# KiCad board hvd-68-vhdci-panel.kicad_pcb (continued)
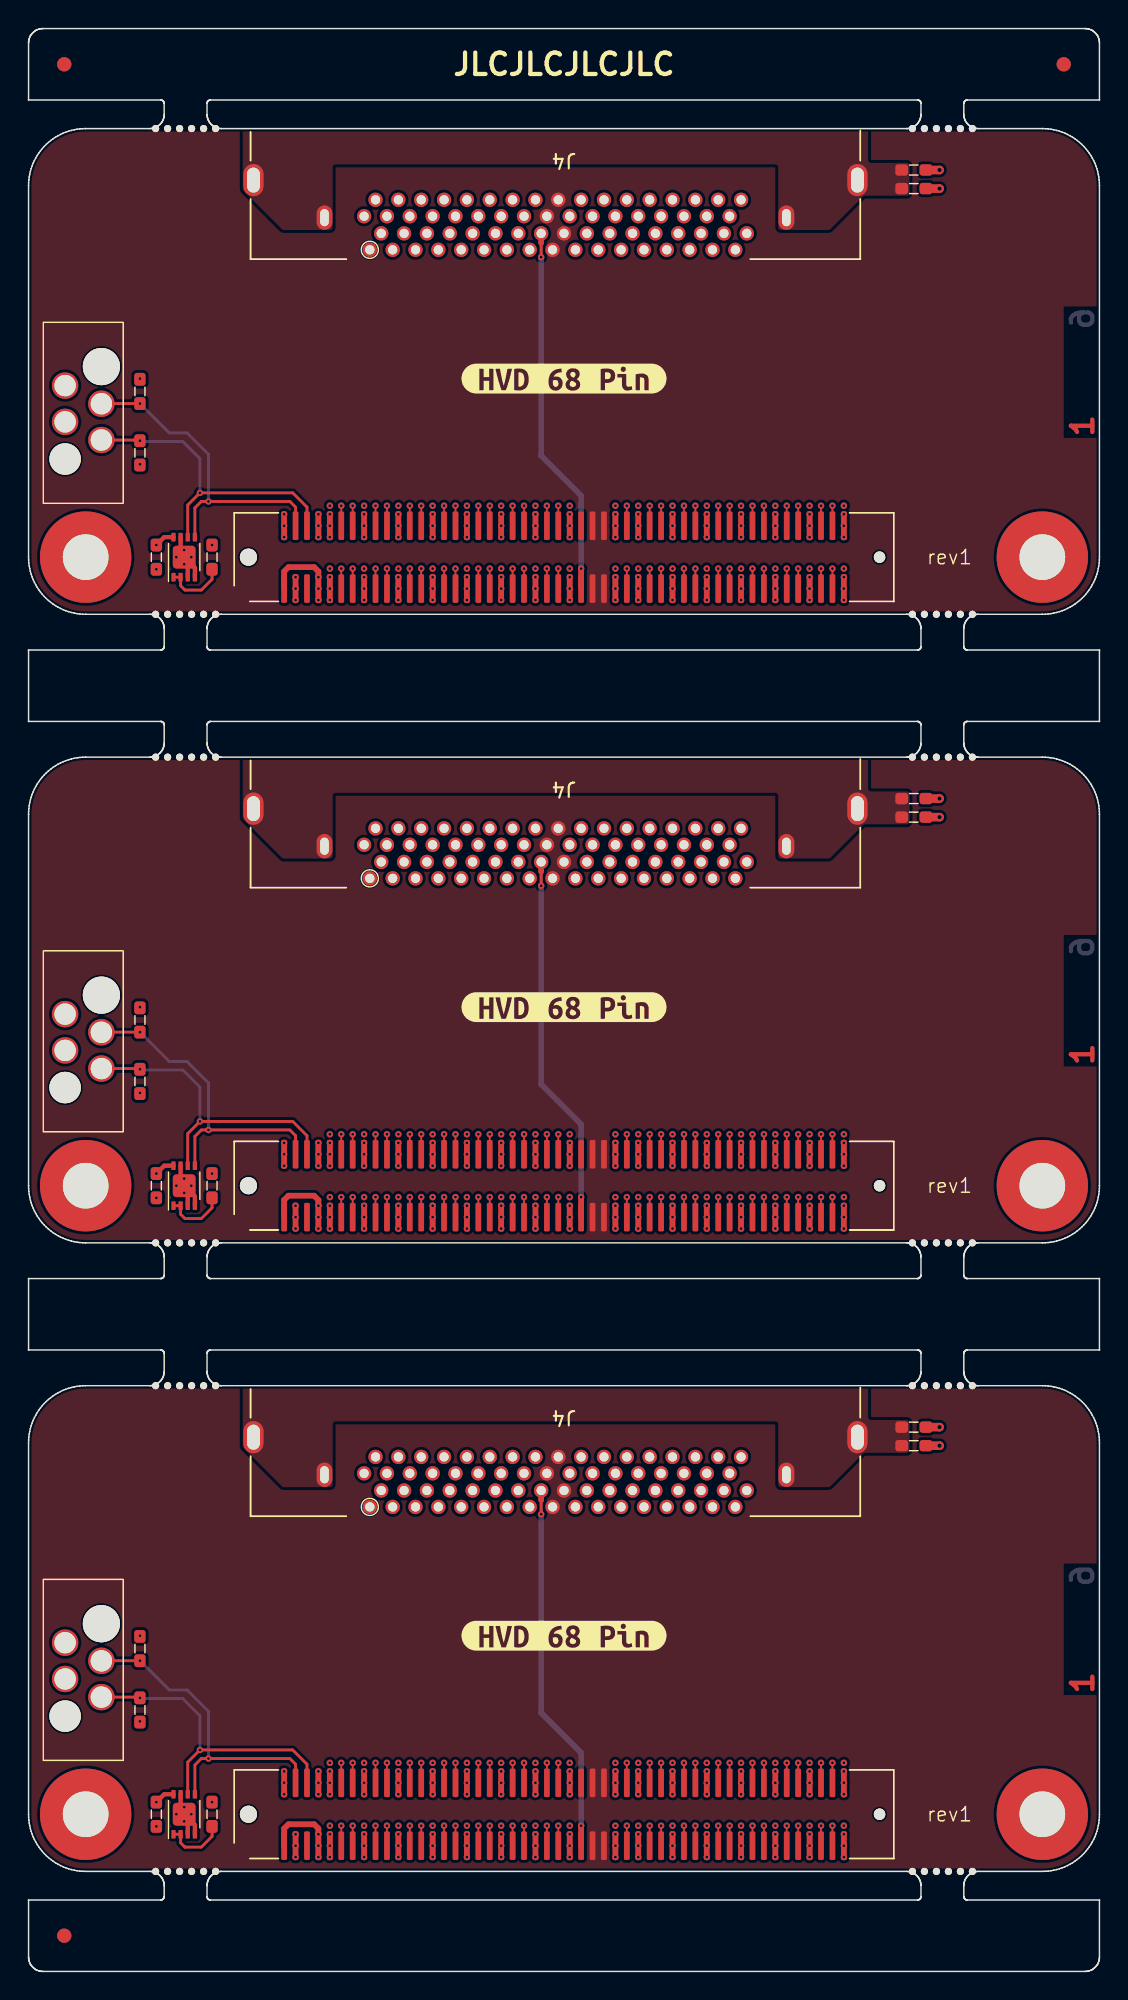
[diagram p0: board, top side]
## Routing (per net, layer and track width the routed paths; a pad name or vN(x,y) marks a point on that pad's centre or on a via; arc(x,y) is an arc through that point) (continued)
Board_2-/CON.DP1-: length 27
  Top w0.128: J1#3.24 v1(26.7,14.6)
  In2.Cu w0.128: v1(26.7,14.6) 27.7,15.6 27.7,18 arc(27.64,18.15) 27.5,18.21 arc(27.35,18.26) 27.29,18.41 27.29,18.6 arc(27.35,18.75) 27.5,18.81 arc(27.64,18.86) 27.7,19.01 27.7,19.2 arc(27.64,19.35) 27.5,19.41 arc(27.35,19.46) 27.29,19.61 27.29,19.8 arc(27.35,19.95) 27.5,20.01 arc(27.64,20.06) 27.7,20.21 27.7,20.4 arc(27.64,20.55) 27.5,20.61 arc(27.35,20.66) 27.29,20.81 27.29,21 arc(27.35,21.15) 27.5,21.21 arc(27.64,21.26) 27.7,21.41 27.7,21.6 arc(27.64,21.75) 27.5,21.81 arc(27.35,21.86) 27.29,22.01 27.29,22.2 arc(27.35,22.35) 27.5,22.41 arc(27.64,22.46) 27.7,22.61 27.7,22.8 arc(27.64,22.95) 27.5,23.01 arc(27.35,23.06) 27.29,23.21 27.29,23.4 arc(27.35,23.55) 27.5,23.61 arc(27.64,23.66) 27.7,23.81 27.7,24 arc(27.63,24.17) 27.46,24.24 arc(27.3,24.31) 27.23,24.47 27.23,24.6 arc(27.3,24.77) 27.46,24.84 arc(27.63,24.91) 27.7,25.07 27.7,25.2 arc(27.63,25.37) 27.46,25.44 arc(27.3,25.51) 27.23,25.67 27.23,25.8 arc(27.3,25.97) 27.46,26.04 arc(27.63,26.11) 27.7,26.27 27.7,26.4 arc(27.63,26.57) 27.46,26.64 arc(27.3,26.71) 27.23,26.87 27.23,27 arc(27.3,27.17) 27.46,27.24 arc(27.63,27.31) 27.7,27.47 27.7,27.6 arc(27.63,27.77) 27.46,27.84 arc(27.3,27.91) 27.23,28.07 27.23,28.2 arc(27.3,28.37) 27.46,28.44 arc(27.63,28.51) 27.7,28.67 27.7,32.7 26.9,33.5 26.9,34 26.7,34.2 J4.39
Board_2-/CON.I/O+: length 29.6
  Top w0.128: J1#3.85 v1(51.5,10.2)
  In3.Cu w0.128: v1(51.5,10.2) 51.1,10.6 51.1,15 45.7,20.4 45.7,22 arc(45.77,22.17) 45.94,22.24 arc(46.1,22.31) 46.17,22.47 46.17,22.6 arc(46.1,22.77) 45.94,22.84 arc(45.77,22.91) 45.7,23.07 45.7,23.2 arc(45.77,23.37) 45.94,23.44 arc(46.1,23.51) 46.17,23.67 46.17,23.8 arc(46.1,23.97) 45.94,24.04 arc(45.77,24.11) 45.7,24.27 45.7,24.4 arc(45.77,24.57) 45.94,24.64 arc(46.1,24.71) 46.17,24.87 46.17,25 arc(46.1,25.17) 45.94,25.24 arc(45.77,25.31) 45.7,25.47 45.7,25.6 arc(45.77,25.77) 45.94,25.84 arc(46.1,25.91) 46.17,26.07 46.17,26.2 arc(46.1,26.37) 45.94,26.44 arc(45.77,26.51) 45.7,26.67 45.7,26.8 arc(45.77,26.97) 45.94,27.04 arc(46.1,27.11) 46.17,27.27 46.17,27.4 arc(46.1,27.57) 45.94,27.64 arc(45.77,27.71) 45.7,27.87 45.7,28 arc(45.77,28.17) 45.94,28.24 arc(46.1,28.31) 46.17,28.47 46.17,28.6 arc(46.1,28.77) 45.94,28.84 arc(45.77,28.91) 45.7,29.07 45.7,31.92 J4.29
Board_2-/CON.I/O-: length 27
  Top w0.128: J1#3.86 v1(51.5,14.6)
  In2.Cu w0.128: J4.63 45.9,34.2 46.1,34 46.1,33.3 45.7,32.9 45.7,27.87 arc(45.77,27.7) 45.93,27.63 arc(46.1,27.57) 46.16,27.4 46.16,27.27 arc(46.1,27.1) 45.93,27.03 arc(45.77,26.97) 45.7,26.8 45.7,26.67 arc(45.77,26.5) 45.93,26.43 arc(46.1,26.37) 46.16,26.2 46.16,26.07 arc(46.1,25.9) 45.93,25.83 arc(45.77,25.77) 45.7,25.6 45.7,25.47 arc(45.77,25.3) 45.93,25.23 arc(46.1,25.17) 46.16,25 46.16,24.87 arc(46.1,24.7) 45.93,24.63 arc(45.77,24.57) 45.7,24.4 45.7,24.27 arc(45.77,24.1) 45.93,24.03 arc(46.1,23.97) 46.16,23.8 46.16,23.67 arc(46.1,23.5) 45.93,23.43 arc(45.77,23.37) 45.7,23.2 45.7,23.07 arc(45.77,22.9) 45.93,22.83 arc(46.1,22.77) 46.16,22.6 46.16,22.47 arc(46.1,22.3) 45.93,22.23 arc(45.77,22.17) 45.7,22 45.7,20.4 v1(51.5,14.6)
Board_2-/CON.MSG+: length 29.6
  Top w0.128: J1#3.73 v1(46.7,10.2)
  In3.Cu w0.128: v1(46.7,10.2) 46.3,10.6 46.3,15 42.5,18.8 42.5,22 arc(42.57,22.17) 42.74,22.24 42.74,22.24 arc(42.91,22.31) 42.98,22.48 42.98,22.6 arc(42.91,22.77) 42.74,22.84 42.74,22.84 arc(42.57,22.91) 42.5,23.08 42.5,23.2 arc(42.57,23.37) 42.74,23.44 42.74,23.44 arc(42.91,23.51) 42.98,23.68 42.98,23.8 arc(42.91,23.97) 42.74,24.04 42.74,24.04 arc(42.57,24.11) 42.5,24.28 42.5,24.4 arc(42.57,24.57) 42.74,24.64 42.74,24.64 arc(42.91,24.71) 42.98,24.88 42.98,25 arc(42.91,25.17) 42.74,25.24 42.74,25.24 arc(42.57,25.31) 42.5,25.48 42.5,25.6 arc(42.57,25.77) 42.74,25.84 42.74,25.84 arc(42.91,25.91) 42.98,26.08 42.98,26.2 arc(42.91,26.37) 42.74,26.44 42.74,26.44 arc(42.57,26.51) 42.5,26.68 42.5,26.8 arc(42.57,26.97) 42.74,27.04 42.74,27.04 arc(42.91,27.11) 42.98,27.28 42.98,27.4 arc(42.91,27.57) 42.74,27.64 42.74,27.64 arc(42.57,27.71) 42.5,27.88 42.5,28 arc(42.57,28.17) 42.74,28.24 42.74,28.24 arc(42.91,28.31) 42.98,28.48 42.98,28.6 arc(42.91,28.77) 42.74,28.84 42.74,28.84 arc(42.57,28.91) 42.5,29.08 42.5,29.2 arc(42.57,29.37) 42.74,29.44 42.74,29.44 arc(42.91,29.51) 42.98,29.68 42.98,29.8 arc(42.91,29.97) 42.74,30.04 42.74,30.04 arc(42.57,30.11) 42.5,30.28 42.5,31.92 J4.25
Board_2-/CON.MSG-: length 27
  Top w0.128: J1#3.74 v1(46.7,14.6)
  In2.Cu w0.128: v1(46.7,14.6) 42.5,18.8 42.5,22 arc(42.56,22.15) 42.71,22.21 arc(42.86,22.27) 42.92,22.42 42.92,22.6 arc(42.86,22.75) 42.71,22.81 arc(42.56,22.87) 42.5,23.02 42.5,23.2 arc(42.56,23.35) 42.71,23.41 arc(42.86,23.47) 42.92,23.62 42.92,23.8 arc(42.86,23.95) 42.71,24.01 arc(42.56,24.07) 42.5,24.22 42.5,24.4 arc(42.56,24.55) 42.71,24.61 arc(42.86,24.67) 42.92,24.82 42.92,25 arc(42.86,25.15) 42.71,25.21 arc(42.56,25.27) 42.5,25.42 42.5,25.6 arc(42.56,25.75) 42.71,25.81 arc(42.86,25.87) 42.92,26.02 42.92,26.2 arc(42.86,26.35) 42.71,26.41 arc(42.56,26.47) 42.5,26.62 42.5,26.8 arc(42.56,26.95) 42.71,27.01 arc(42.86,27.07) 42.92,27.22 42.92,27.4 arc(42.86,27.55) 42.71,27.61 arc(42.56,27.67) 42.5,27.82 42.5,28 arc(42.56,28.15) 42.71,28.21 arc(42.86,28.27) 42.92,28.42 42.92,28.6 arc(42.86,28.75) 42.71,28.81 arc(42.56,28.87) 42.5,29.02 42.5,29.2 arc(42.55,29.33) 42.69,29.39 arc(42.82,29.44) 42.87,29.57 42.87,29.8 arc(42.82,29.93) 42.69,29.99 arc(42.55,30.04) 42.5,30.17 42.5,32.9 42.9,33.3 42.9,34 42.7,34.2 J4.59
Board_2-/CON.REQ+: length 29.6
  Top w0.128: J1#3.83 v1(50.7,10.2)
  In3.Cu w0.128: v1(50.7,10.2) 50.4,10.5 50.4,14.9 45.3,20 45.3,22 arc(45.24,22.15) 45.09,22.21 arc(44.94,22.28) 44.88,22.42 44.88,22.6 arc(44.94,22.75) 45.09,22.81 arc(45.24,22.88) 45.3,23.02 45.3,23.2 arc(45.24,23.35) 45.09,23.41 arc(44.94,23.48) 44.88,23.62 44.88,23.8 arc(44.94,23.95) 45.09,24.01 arc(45.24,24.08) 45.3,24.22 45.3,24.4 arc(45.24,24.55) 45.09,24.61 arc(44.94,24.68) 44.88,24.82 44.88,25 arc(44.94,25.15) 45.09,25.21 arc(45.24,25.28) 45.3,25.42 45.3,25.6 arc(45.24,25.75) 45.09,25.81 arc(44.94,25.88) 44.88,26.02 44.88,26.2 arc(44.94,26.35) 45.09,26.41 arc(45.24,26.48) 45.3,26.62 45.3,26.8 arc(45.24,26.95) 45.09,27.01 arc(44.94,27.08) 44.88,27.22 44.88,27.4 arc(44.94,27.55) 45.09,27.61 arc(45.24,27.68) 45.3,27.82 45.3,32.1 45.5,32.3 J4.28
Board_2-/CON.REQ-: length 27
  Top w0.128: J1#3.84 v1(50.7,14.6)
  In2.Cu w0.128: J4.62 45.1,34.2 44.9,34 44.9,33.3 45.3,32.9 45.3,25.48 arc(45.23,25.31) 45.06,25.24 45.06,25.24 arc(44.89,25.17) 44.82,25 44.82,24.88 arc(44.89,24.71) 45.06,24.64 45.06,24.64 arc(45.23,24.57) 45.3,24.4 45.3,24.28 arc(45.23,24.11) 45.06,24.04 45.06,24.04 arc(44.89,23.97) 44.82,23.8 44.82,23.68 arc(44.89,23.51) 45.06,23.44 45.06,23.44 arc(45.23,23.37) 45.3,23.2 45.3,23.08 arc(45.23,22.91) 45.06,22.84 45.06,22.84 arc(44.89,22.77) 44.82,22.6 44.82,22.48 arc(44.89,22.31) 45.06,22.24 45.06,22.24 arc(45.23,22.17) 45.3,22 45.3,20 v1(50.7,14.6)
Board_2-/CON.RST+: length 29.6
  Top w0.128: J1#3.71 v1(45.9,10.2)
  In3.Cu w0.128: J4.24 42.3,32.3 42.1,32.1 42.1,29 arc(42.04,28.86) 41.9,28.8 arc(41.76,28.74) 41.71,28.6 41.71,28.4 arc(41.76,28.26) 41.9,28.2 arc(42.04,28.14) 42.1,28 42.1,27.86 arc(42.03,27.7) 41.87,27.63 arc(41.71,27.56) 41.64,27.4 41.64,27.26 arc(41.71,27.1) 41.87,27.03 arc(42.03,26.96) 42.1,26.8 42.1,26.66 arc(42.03,26.5) 41.87,26.43 arc(41.71,26.36) 41.64,26.2 41.64,26.06 arc(41.71,25.9) 41.87,25.83 arc(42.03,25.76) 42.1,25.6 42.1,25.46 arc(42.03,25.3) 41.87,25.23 arc(41.71,25.16) 41.64,25 41.64,24.86 arc(41.71,24.7) 41.87,24.63 arc(42.03,24.56) 42.1,24.4 42.1,24.26 arc(42.03,24.1) 41.87,24.03 arc(41.71,23.96) 41.64,23.8 41.64,23.66 arc(41.71,23.5) 41.87,23.43 arc(42.03,23.36) 42.1,23.2 42.1,23.06 arc(42.03,22.9) 41.87,22.83 arc(41.71,22.76) 41.64,22.6 41.64,22.46 arc(41.71,22.3) 41.87,22.23 arc(42.03,22.16) 42.1,22 42.1,18.4 45.6,14.9 45.6,10.5 v1(45.9,10.2)
Board_2-/CON.RST-: length 27
  Top w0.128: J1#3.72 v1(45.9,14.6)
  In2.Cu w0.128: v1(45.9,14.6) 42.1,18.4 42.1,22 arc(42.03,22.17) 41.86,22.24 41.84,22.24 arc(41.67,22.31) 41.6,22.48 41.6,22.6 arc(41.67,22.77) 41.84,22.84 41.86,22.84 arc(42.03,22.91) 42.1,23.08 42.1,23.2 arc(42.03,23.37) 41.86,23.44 41.84,23.44 arc(41.67,23.51) 41.6,23.68 41.6,23.8 arc(41.67,23.97) 41.84,24.04 41.86,24.04 arc(42.03,24.11) 42.1,24.28 42.1,24.4 arc(42.03,24.57) 41.86,24.64 41.84,24.64 arc(41.67,24.71) 41.6,24.88 41.6,25 arc(41.67,25.17) 41.84,25.24 41.86,25.24 arc(42.03,25.31) 42.1,25.48 42.1,25.6 arc(42.03,25.77) 41.86,25.84 41.84,25.84 arc(41.67,25.91) 41.6,26.08 41.6,26.2 arc(41.67,26.37) 41.84,26.44 41.86,26.44 arc(42.03,26.51) 42.1,26.68 42.1,32.9 41.7,33.3 41.7,34 41.9,34.2 J4.58
Board_2-/CON.SEL+: length 29.6
  Top w0.128: J1#3.77 v1(48.3,10.2)
  In3.Cu w0.128: v1(48.3,10.2) 48,10.5 48,14.9 43.7,19.2 43.7,22 arc(43.64,22.14) 43.5,22.2 arc(43.36,22.26) 43.3,22.4 43.3,22.6 arc(43.36,22.74) 43.5,22.8 arc(43.64,22.86) 43.7,23 43.7,23.2 arc(43.64,23.34) 43.5,23.4 arc(43.36,23.46) 43.3,23.6 43.3,23.8 arc(43.36,23.94) 43.5,24 arc(43.64,24.06) 43.7,24.2 43.7,24.4 arc(43.64,24.54) 43.5,24.6 arc(43.36,24.66) 43.3,24.8 43.3,25 arc(43.36,25.14) 43.5,25.2 arc(43.64,25.26) 43.7,25.4 43.7,25.6 arc(43.64,25.74) 43.5,25.8 arc(43.36,25.86) 43.3,26 43.3,26.2 arc(43.36,26.34) 43.5,26.4 arc(43.64,26.46) 43.7,26.6 43.7,26.8 arc(43.64,26.94) 43.5,27 arc(43.36,27.06) 43.3,27.2 43.3,27.4 arc(43.36,27.54) 43.5,27.6 arc(43.64,27.66) 43.7,27.8 43.7,28 arc(43.64,28.14) 43.5,28.2 arc(43.36,28.26) 43.3,28.4 43.3,28.6 arc(43.36,28.74) 43.5,28.8 arc(43.64,28.86) 43.7,29 43.7,32.1 43.9,32.3 J4.26
Board_2-/CON.SEL-: length 27
  Top w0.128: J1#3.78 v1(48.3,14.6)
  In2.Cu w0.128: v1(48.3,14.6) 43.7,19.2 43.7,22 arc(43.64,22.16) 43.48,22.22 arc(43.33,22.28) 43.26,22.44 43.26,22.6 arc(43.33,22.76) 43.48,22.82 arc(43.64,22.88) 43.7,23.04 43.7,23.2 arc(43.64,23.36) 43.48,23.42 arc(43.33,23.48) 43.26,23.64 43.26,23.8 arc(43.33,23.96) 43.48,24.02 arc(43.64,24.08) 43.7,24.24 43.7,24.4 arc(43.64,24.56) 43.48,24.62 arc(43.33,24.68) 43.26,24.84 43.26,25 arc(43.33,25.16) 43.48,25.22 arc(43.64,25.28) 43.7,25.44 43.7,25.6 arc(43.64,25.76) 43.48,25.82 arc(43.33,25.88) 43.26,26.04 43.26,26.2 arc(43.33,26.36) 43.48,26.42 arc(43.64,26.48) 43.7,26.64 43.7,32.9 43.3,33.3 43.3,34 43.5,34.2 J4.60
Board_2-/PHY.ID_SCL: length 22.5
  Top w0.2: U1.6 11.15,14.65 v1(12,15.5) 18.5,15.5 19.5,14.5 J1#3.6 ; v1(7.8,19.15) 7.45,19.15 7.4,19.2 J3.4
  Bottom w0.2: v1(12,15.5) 12,17.9 10.8,19.1 7.85,19.1 v1(7.8,19.15)
Board_2-/PHY.ID_SDA: length 23
  Top w0.2: J1#3.4 18.7,14.5 18.3,14.9 12.1,14.9 11.65,14.45 U1.5 ; J3.2 5.11,21.75 v1(7.8,21.75)
  Bottom w0.2: v1(7.8,21.75) 9.85,19.7 11.1,19.7 12.6,18.2 v1(12.6,14.9)
Board_2-GND: length 9.9
  Top w0.3: U1.3 11.15,10.25 v1(10.9,10.5) ; U1.7 10.65,11.75 v1(10.9,11.5) ; U1.4 11.65,10.25 U1.EP
  Top w0.4: J1#3.1 17.9,10 18.2,10.3 20,10.3 20.3,10 v1(20.3,9.6)
  Top w0.6: R4#2.1 v2(63.8,36.8) ; C2.2 v2(63.8,38.1)
  vias: v1(8.95,10.15) v1(10.35,11) v1(11.4,11) v1(17.9,14) v1(17.9,13.2) v1(17.9,12.4) v1(20.3,14) v1(20.3,13.2) v1(20.3,12.4) v1(20.3,8.8) v1(20.3,8) v1(21.1,14.6) v1(21.1,14) v1(21.1,13.2) v1(21.1,12.4) v1(21.1,10.2) v1(21.1,9.6) v1(21.1,8.8) v1(21.1,8) v1(23.5,14.6) v1(23.5,14) v1(23.5,13.2) v1(23.5,12.4) v1(23.5,10.2) v1(23.5,9.6) v1(23.5,8.8) v1(23.5,8) v1(25.9,14.6) v1(25.9,14) v1(25.9,13.2) v1(25.9,12.4) v1(25.9,10.2) v1(25.9,9.6) v1(25.9,8.8) v1(25.9,8) v1(28.3,14.6) v1(28.3,14) v1(28.3,13.2) v1(28.3,12.4) v1(28.3,10.2) v1(28.3,9.6) v1(28.3,8.8) v1(28.3,8) v1(30.7,14.6) v1(30.7,14) v1(30.7,13.2) v1(30.7,12.4) v1(30.7,10.2) v1(30.7,9.6) v1(30.7,8.8) v1(30.7,8) v1(33.1,14.6) v1(33.1,14) v1(33.1,13.2) v1(33.1,12.4) v1(33.1,10.2) v1(33.1,9.6) v1(33.1,8.8) v1(33.1,8) v1(35.5,14.6) v1(35.5,14) v1(35.5,13.2) v1(35.5,12.4) v1(35.5,10.2) v1(35.5,9.6) v1(35.5,8.8) v1(35.5,8) v1(37.9,14.6) v1(37.9,14) v1(37.9,13.2) v1(37.9,12.4) v1(37.9,10.2) v1(37.9,9.6) v1(37.9,8.8) v1(37.9,8) v1(41.1,14.6) v1(41.1,14) v1(41.1,13.2) v1(41.1,12.4) v1(41.1,10.2) v1(41.1,9.6) v1(41.1,8.8) v1(41.1,8) v1(42.7,14.6) v1(42.7,14) v1(42.7,13.2) v1(42.7,12.4) v1(42.7,10.2) v1(42.7,9.6) v1(42.7,8.8) v1(42.7,8) v1(45.1,14.6) v1(45.1,14) v1(45.1,13.2) v1(45.1,12.4) v1(45.1,10.2) v1(45.1,9.6) v1(45.1,8.8) v1(45.1,8) v1(47.5,14.6) v1(47.5,14) v1(47.5,13.2) v1(47.5,12.4) v1(47.5,10.2) v1(47.5,9.6) v1(47.5,8.8) v1(47.5,8) v1(49.9,14.6) v1(49.9,14) v1(49.9,13.2) v1(49.9,12.4) v1(49.9,10.2) v1(49.9,9.6) v1(49.9,8.8) v1(49.9,8) v1(52.3,14.6) v1(52.3,14) v1(52.3,13.2) v1(52.3,12.4) v1(52.3,10.2) v1(52.3,9.6) v1(52.3,8.8) v1(52.3,8) v1(54.7,14.6) v1(54.7,14) v1(54.7,13.2) v1(54.7,12.4) v1(54.7,10.2) v1(54.7,9.6) v1(54.7,8.8) v1(54.7,8) v1(57.1,14.6) v1(57.1,14) v1(57.1,13.2) v1(57.1,12.4) v1(57.1,10.2) v1(57.1,9.6) v1(57.1,8.8) v1(57.1,8)
Board_2-Net-(U1-E0): length 4.4
  Top w0.2: U1.1 U1.2 10.65,9 10.95,8.7 12.1,8.7 12.85,9.45 R1#3.1

## Copper pours and planes (outline as drawn; the poured copper is in the pictures)
Board_0-+3V3 on In2.Cu: 19,95.7 4,95.7 0.7,99 0.7,112.2 9,112.2 9,102 14.8,102 19,97.8
Board_0-/CON.TERMPWR on Top: 0,95 75,95 75,129 0,129
Board_0-/SHIELD on Top: 21.3,121.9 17.8,121.9 15,124.7 15,129 58.8,129 58.8,126.6 61.7,126.6 61.7,124.3 58.5,124.3 56.1,121.9 52.5,121.9 52.5,126.5 21.3,126.5
Board_0-GND on Bottom, In1.Cu, In2.Cu, In3.Cu, In4.Cu: 75,95 0,95 0,129 75,129
Board_1-+3V3 on In2.Cu: 19,51.7 4,51.7 0.7,55 0.7,68.2 9,68.2 9,58 14.8,58 19,53.8
Board_1-/CON.TERMPWR on Top: 0,51 75,51 75,85 0,85
Board_1-/SHIELD on Top: 21.3,77.9 17.8,77.9 15,80.7 15,85 58.8,85 58.8,82.6 61.7,82.6 61.7,80.3 58.5,80.3 56.1,77.9 52.5,77.9 52.5,82.5 21.3,82.5
Board_1-GND on Bottom, In1.Cu, In2.Cu, In3.Cu, In4.Cu: 75,51 0,51 0,85 75,85
Board_2-+3V3 on In2.Cu: 19,7.7 4,7.7 0.7,11 0.7,24.2 9,24.2 9,14 14.8,14 19,9.8
Board_2-/CON.TERMPWR on Top: 0,7 75,7 75,41 0,41
Board_2-/SHIELD on Top: 21.3,33.9 17.8,33.9 15,36.7 15,41 58.8,41 58.8,38.6 61.7,38.6 61.7,36.3 58.5,36.3 56.1,33.9 52.5,33.9 52.5,38.5 21.3,38.5
Board_2-GND on Bottom, In1.Cu, In2.Cu, In3.Cu, In4.Cu: 75,7 0,7 0,41 75,41

## Text on the board
Bottom: 6
Top: 1
F.Silkscreen: rev1 | JLCJLCJLCJLC
In1.Cu: 2
In2.Cu: 3
In3.Cu: 4
In4.Cu: 5
